# KiCad board MozzaCircuit.kicad_pcb
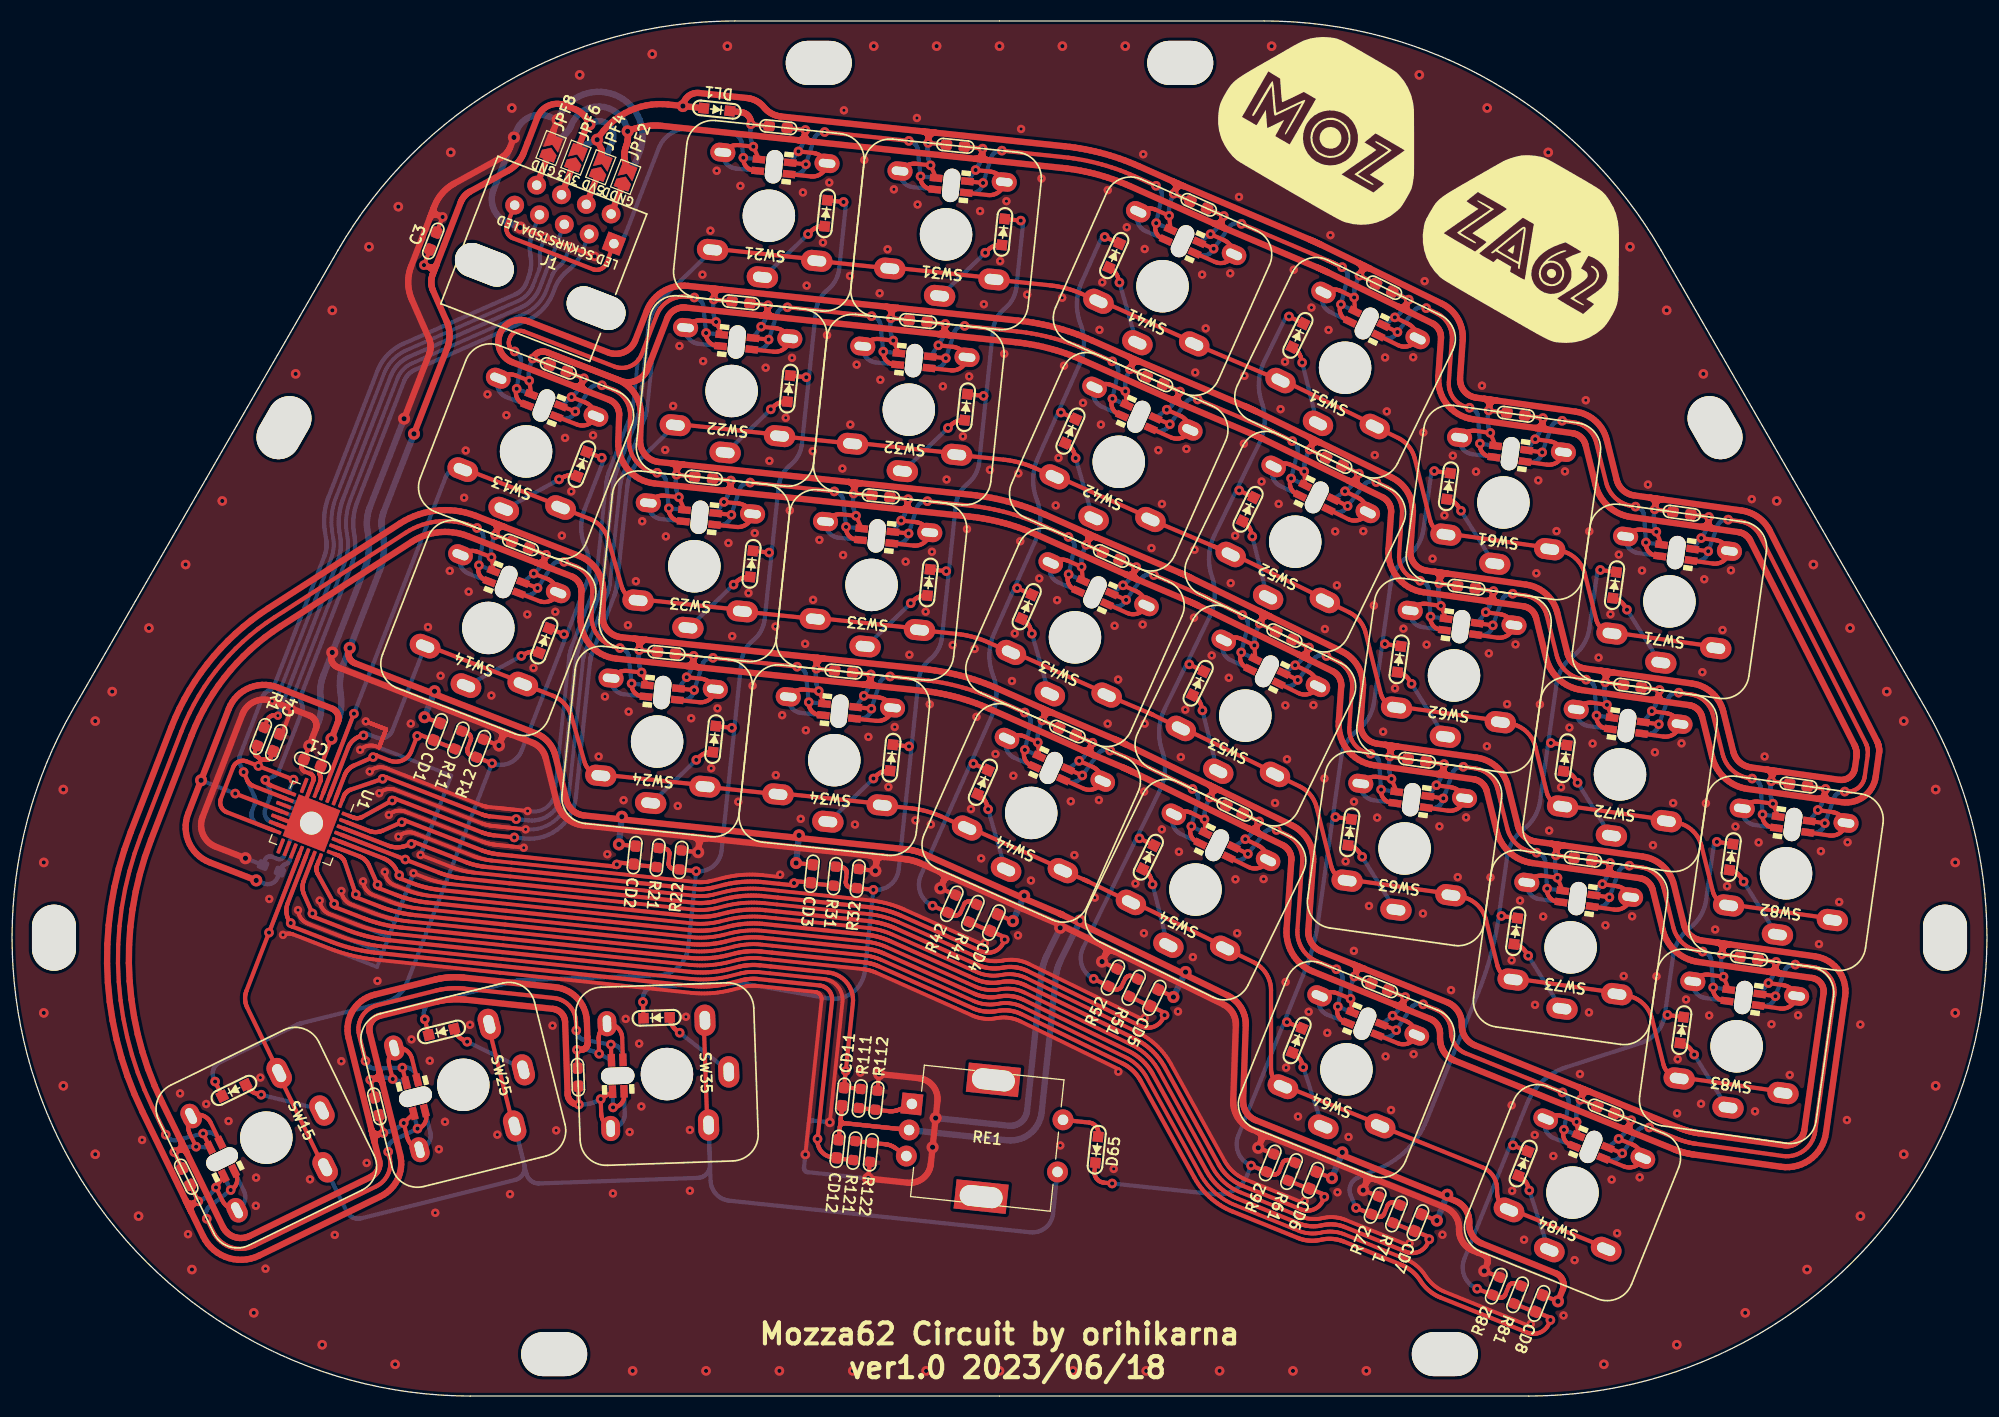
[diagram p0: board, top side]
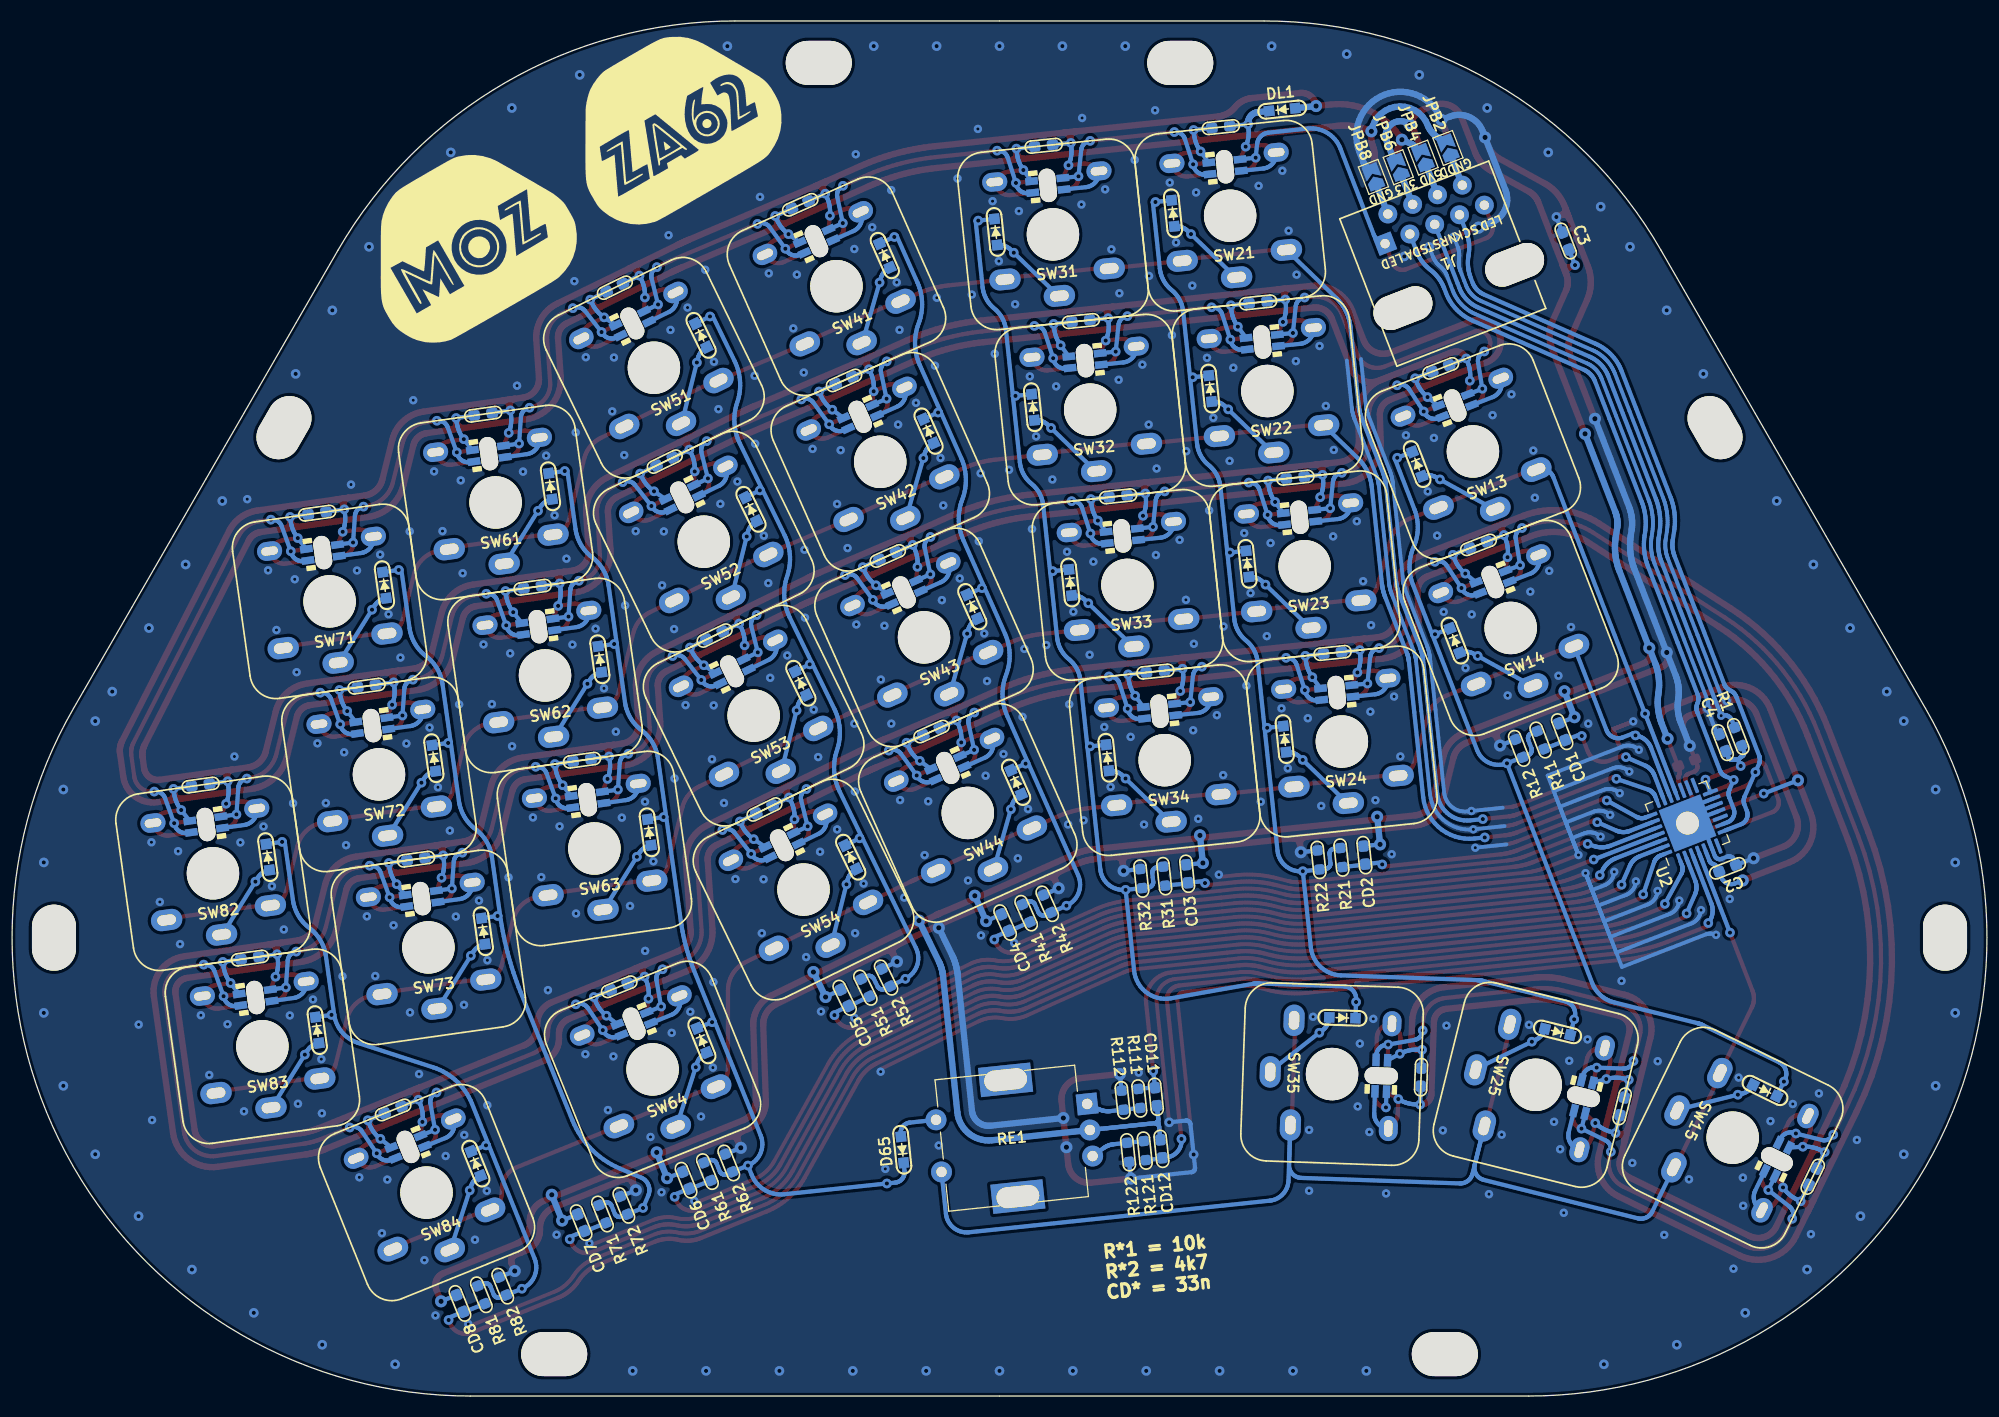
[diagram p1: board, bottom side, seen from below]

Outline 188.43 x 131.18 mm; copper layers: Top, Bottom. Coordinates in mm from the lower left corner of the outline.
Outline path: 5.86,65.59 5.86,65.59 18.48,87.45 31.1,109.31 arc(47.11,125.32) 68.97,131.18 68.97,131.18 119.46,131.18 arc(141.32,125.32) 157.33,109.31 169.95,87.45 182.57,65.59 arc(182.57,21.86) 144.71,0 94.22,0 43.73,0 arc(5.86,21.86) 5.86,65.59
Stack: Top 0.035mm / dielectric 1.51mm FR4 er 4.5 / Bottom 0.035mm

## Placement (name value [footprint] x y rotation side)
C1  0.1u  [C_1608_HandSolder]  28.66 60.41 158.8 top
C2  0.1u  [C_1608_HandSolder]  24.75 50.34 158.8 bottom
C3  0.1u  [C_1608_HandSolder_both_sides]  40.19 110.18 68.8 top
C4  0.1u  [C_1608_HandSolder_both_sides]  25.22 62.33 68.8 top
C13  0.1u  [C_1608_HandSolder_both_sides]  52.12 98.04 338.8 top
C14  0.1u  [C_1608_HandSolder_both_sides]  48.52 81.2 158.8 top
C15  0.1u  [C_1608_HandSolder_both_sides]  16.62 20.92 296 top
C21  0.1u  [C_1608_HandSolder_both_sides]  73.1 121.05 354 top
C22  0.1u  [C_1608_HandSolder_both_sides]  69.54 104.33 174 top
C23  0.1u  [C_1608_HandSolder_both_sides]  65.99 87.61 354 top
C24  0.1u  [C_1608_HandSolder_both_sides]  62.44 70.89 174 top
C25  0.1u  [C_1608_HandSolder_both_sides]  34.81 27.63 104 top
C31  0.1u  [C_1608_HandSolder_both_sides]  90.01 119.27 354 top
C32  0.1u  [C_1608_HandSolder_both_sides]  86.45 102.55 174 top
C33  0.1u  [C_1608_HandSolder_both_sides]  82.9 85.83 354 top
C34  0.1u  [C_1608_HandSolder_both_sides]  79.34 69.11 174 top
C35  0.1u  [C_1608_HandSolder_both_sides]  53.99 30.42 272 top
C41  0.1u  [C_1608_HandSolder_both_sides]  113.23 113.64 336 top
C42  0.1u  [C_1608_HandSolder_both_sides]  109.05 96.89 156 top
C43  0.1u  [C_1608_HandSolder_both_sides]  104.88 80.14 336 top
C44  0.1u  [C_1608_HandSolder_both_sides]  100.7 63.39 156 top
C51  0.1u  [C_1608_HandSolder_both_sides]  130.92 105.74 334 top
C52  0.1u  [C_1608_HandSolder_both_sides]  126.16 89.14 154 top
C53  0.1u  [C_1608_HandSolder_both_sides]  121.4 72.55 334 top
C54  0.1u  [C_1608_HandSolder_both_sides]  116.64 55.96 154 top
C61  0.1u  [C_1608_HandSolder_both_sides]  143.48 93.66 352 top
C62  0.1u  [C_1608_HandSolder_both_sides]  138.76 77.16 172 top
C63  0.1u  [C_1608_HandSolder_both_sides]  134.05 60.65 352 top
C64  0.1u  [C_1608_HandSolder_both_sides]  130.5 39.04 158 top
C71  0.1u  [C_1608_HandSolder_both_sides]  159.32 84.23 352 top
C72  0.1u  [C_1608_HandSolder_both_sides]  154.61 67.72 172 top
C73  0.1u  [C_1608_HandSolder_both_sides]  149.89 51.22 352 top
C82  0.1u  [C_1608_HandSolder_both_sides]  170.45 58.28 172 top
C83  0.1u  [C_1608_HandSolder_both_sides]  165.73 41.78 352 top
C84  0.1u  [C_1608_HandSolder_both_sides]  152.07 27.29 158 top
CD1  33n  [C_1608_HandSolder_both_sides]  40.53 63.38 248.8 top
CD2  33n  [C_1608_HandSolder_both_sides]  59.4 51.6 264 top
CD3  33n  [C_1608_HandSolder_both_sides]  76.31 49.82 264 top
CD4  33n  [C_1608_HandSolder_both_sides]  93.68 45.17 246 top
CD5  33n  [C_1608_HandSolder_both_sides]  108.99 37.99 244 top
CD6  33n  [C_1608_HandSolder_both_sides]  124.13 20.59 248 top
CD7  33n  [C_1608_HandSolder_both_sides]  134.14 16.54 248 top
CD8  33n  [C_1608_HandSolder_both_sides]  145.69 8.84 248 top
CD11  33n  [C_1608_HandSolder_both_sides]  79.29 28.56 84 top
CD12  33n  [C_1608_HandSolder_both_sides]  78.77 23.58 264 top
D13  D_Small  [D_SOD-323_both_sides]  54.37 88.9 248.8 top
D14  D_Small  [D_SOD-323_both_sides]  50.77 72.07 248.8 top
D15  D_Small  [D_SOD-323_both_sides]  21.18 29.15 26 top
D21  D_Small  [D_SOD-323_both_sides]  77.66 112.83 264 top
D22  D_Small  [D_SOD-323_both_sides]  74.11 96.11 264 top
D23  D_Small  [D_SOD-323_both_sides]  70.56 79.39 264 top
D24  D_Small  [D_SOD-323_both_sides]  67 62.67 264 top
D25  D_Small  [D_SOD-323_both_sides]  40.97 34.74 14 top
D31  D_Small  [D_SOD-323_both_sides]  94.57 111.05 264 top
D32  D_Small  [D_SOD-323_both_sides]  91.02 94.33 264 top
D33  D_Small  [D_SOD-323_both_sides]  87.46 77.61 264 top
D34  D_Small  [D_SOD-323_both_sides]  83.91 60.89 264 top
D35  D_Small  [D_SOD-323_both_sides]  61.5 36.08 2 top
D41  D_Small  [D_SOD-323_both_sides]  105.16 108.8 246 top
D42  D_Small  [D_SOD-323_both_sides]  100.99 92.05 246 top
D43  D_Small  [D_SOD-323_both_sides]  96.81 75.3 246 top
D44  D_Small  [D_SOD-323_both_sides]  92.63 58.55 246 top
D51  D_Small  [D_SOD-323_both_sides]  122.69 101.18 244 top
D52  D_Small  [D_SOD-323_both_sides]  117.93 84.59 244 top
D53  D_Small  [D_SOD-323_both_sides]  113.17 68 244 top
D54  D_Small  [D_SOD-323_both_sides]  108.41 51.4 244 top
D61  D_Small  [D_SOD-323_both_sides]  137.06 86.79 262 top
D62  D_Small  [D_SOD-323_both_sides]  132.35 70.28 262 top
D63  D_Small  [D_SOD-323_both_sides]  127.63 53.78 262 top
D64  D_Small  [D_SOD-323_both_sides]  122.61 33.93 248 top
D65  D_Small  [D_SOD-323_both_sides]  103.49 23.5 84 top
D71  D_Small  [D_SOD-323_both_sides]  152.9 77.35 262 top
D72  D_Small  [D_SOD-323_both_sides]  148.19 60.85 262 top
D73  D_Small  [D_SOD-323_both_sides]  143.47 44.34 262 top
D82  D_Small  [D_SOD-323_both_sides]  164.03 51.41 262 top
D83  D_Small  [D_SOD-323_both_sides]  159.31 34.91 262 top
D84  D_Small  [D_SOD-323_both_sides]  144.18 22.17 248 top
DL1  D_Small  [D_SOD-323_both_sides]  67.24 122.72 174 top
G1  LOGO  [mozza62_logo]  135.42 115.82 330 top
G2  LOGO  [mozza62_logo]  135.42 115.82 150 bottom
H1  MountingHole  [SpacerHole_M2_4mm]  136.71 4 0 top
H2  MountingHole  [SpacerHole_M2_4mm]  51.73 4 0 top
H3  MountingHole  [SpacerHole_M2_4mm]  184.43 43.73 90 top
H4  MountingHole  [SpacerHole_M2_4mm]  4 43.73 270 top
H5  MountingHole  [SpacerHole_M2_4mm]  162.49 92.38 120 top
H6  MountingHole  [SpacerHole_M2_4mm]  25.95 92.38 240 top
H7  MountingHole  [SpacerHole_M2_4mm]  111.46 127.18 0 top
H8  MountingHole  [SpacerHole_M2_4mm]  76.97 127.18 0 top
J1  8P8C_both_sides  [RJ45_Molex_0955032884_both_sides]  53.61 114.14 158.8 bottom
JPB2  SolderJumper_2_Open  [SolderJumper-2_P1.3mm_Open_TrianglePad1.0x1.5mm]  51.43 119.06 68.8 bottom
JPB4  SolderJumper_2_Open  [SolderJumper-2_P1.3mm_Open_TrianglePad1.0x1.5mm]  53.8 118.14 68.8 bottom
JPB6  SolderJumper_2_Open  [SolderJumper-2_P1.3mm_Open_TrianglePad1.0x1.5mm]  56.17 117.22 68.8 bottom
JPB8  SolderJumper_2_Open  [SolderJumper-2_P1.3mm_Open_TrianglePad1.0x1.5mm]  58.54 116.3 68.8 bottom
JPF2  SolderJumper_2_Open  [SolderJumper-2_P1.3mm_Open_TrianglePad1.0x1.5mm]  58.54 116.3 68.8 top
JPF4  SolderJumper_2_Open  [SolderJumper-2_P1.3mm_Open_TrianglePad1.0x1.5mm]  56.17 117.22 68.8 top
JPF6  SolderJumper_2_Open  [SolderJumper-2_P1.3mm_Open_TrianglePad1.0x1.5mm]  53.8 118.14 68.8 top
JPF8  SolderJumper_2_Open  [SolderJumper-2_P1.3mm_Open_TrianglePad1.0x1.5mm]  51.43 119.06 68.8 top
L13  WS2812-2020_both_sides  [WS2812B_2020_rev]  50.75 94.49 158.8 top
L14  WS2812-2020_both_sides  [WS2812B_2020_rev]  47.14 77.65 338.8 top
L15  WS2812-2020_both_sides  [WS2812B_2020_rev]  20.04 22.59 116 top
L21  WS2812-2020_both_sides  [WS2812B_2020_rev]  72.7 117.27 174 top
L22  WS2812-2020_both_sides  [WS2812B_2020_rev]  69.15 100.55 354 top
L23  WS2812-2020_both_sides  [WS2812B_2020_rev]  65.59 83.83 174 top
L24  WS2812-2020_both_sides  [WS2812B_2020_rev]  62.04 67.11 354 top
L25  WS2812-2020_both_sides  [WS2812B_2020_rev#2]  38.5 28.55 284 top
L31  WS2812-2020_both_sides  [WS2812B_2020_rev]  89.61 115.49 174 top
L32  WS2812-2020_both_sides  [WS2812B_2020_rev]  86.05 98.77 354 top
L33  WS2812-2020_both_sides  [WS2812B_2020_rev]  82.5 82.05 174 top
L34  WS2812-2020_both_sides  [WS2812B_2020_rev]  78.95 65.33 354 top
L35  WS2812-2020_both_sides  [WS2812B_2020_rev]  57.79 30.55 92 top
L41  WS2812-2020_both_sides  [WS2812B_2020_rev]  111.68 110.17 156 top
L42  WS2812-2020_both_sides  [WS2812B_2020_rev]  107.51 93.42 336 top
L43  WS2812-2020_both_sides  [WS2812B_2020_rev]  103.33 76.67 156 top
L44  WS2812-2020_both_sides  [WS2812B_2020_rev]  99.15 59.92 336 top
L51  WS2812-2020_both_sides  [WS2812B_2020_rev]  129.25 102.32 154 top
L52  WS2812-2020_both_sides  [WS2812B_2020_rev]  124.49 85.73 334 top
L53  WS2812-2020_both_sides  [WS2812B_2020_rev]  119.73 69.13 154 top
L54  WS2812-2020_both_sides  [WS2812B_2020_rev]  114.98 52.54 334 top
L61  WS2812-2020_both_sides  [WS2812B_2020_rev]  142.95 89.9 172 top
L62  WS2812-2020_both_sides  [WS2812B_2020_rev]  138.24 73.39 352 top
L63  WS2812-2020_both_sides  [WS2812B_2020_rev]  133.52 56.89 172 top
L64  WS2812-2020_both_sides  [WS2812B_2020_rev]  129.08 35.52 338 top
L71  WS2812-2020_both_sides  [WS2812B_2020_rev]  158.79 80.46 172 top
L72  WS2812-2020_both_sides  [WS2812B_2020_rev]  154.08 63.96 352 top
L73  WS2812-2020_both_sides  [WS2812B_2020_rev]  149.36 47.45 172 top
L82  WS2812-2020_both_sides  [WS2812B_2020_rev]  169.92 54.52 352 top
L83  WS2812-2020_both_sides  [WS2812B_2020_rev]  165.2 38.02 172 top
L84  WS2812-2020_both_sides  [WS2812B_2020_rev]  150.65 23.77 338 top
R1  100  [R_1608_HandSolder_both_sides]  23.73 62.91 248.8 top
R11  10k  [R_1608_HandSolder_both_sides]  42.59 62.58 248.8 top
R12  4k7  [R_1608_HandSolder_both_sides]  44.64 61.79 68.8 top
R21  10k  [R_1608_HandSolder_both_sides]  61.59 51.37 264 top
R22  4k7  [R_1608_HandSolder_both_sides]  63.78 51.14 84 top
R31  10k  [R_1608_HandSolder_both_sides]  78.5 49.59 264 top
R32  4k7  [R_1608_HandSolder_both_sides]  80.69 49.36 84 top
R41  10k  [R_1608_HandSolder_both_sides]  91.67 46.06 246 top
R42  4k7  [R_1608_HandSolder_both_sides]  89.66 46.96 66 top
R51  10k  [R_1608_HandSolder_both_sides]  107.02 38.96 244 top
R52  4k7  [R_1608_HandSolder_both_sides]  105.04 39.92 64 top
R61  10k  [R_1608_HandSolder_both_sides]  122.09 21.41 248 top
R62  4k7  [R_1608_HandSolder_both_sides]  120.05 22.24 68 top
R71  10k  [R_1608_HandSolder_both_sides]  132.1 17.37 248 top
R72  4k7  [R_1608_HandSolder_both_sides]  130.06 18.19 68 top
R81  10k  [R_1608_HandSolder_both_sides]  143.65 9.66 248 top
R82  4k7  [R_1608_HandSolder_both_sides]  141.61 10.48 68 top
R111  10k  [R_1608_HandSolder_both_sides]  80.88 28.39 84 top
R112  4k7  [R_1608_HandSolder_both_sides]  82.47 28.22 84 top
R121  10k  [R_1608_HandSolder_both_sides]  80.36 23.42 264 top
R122  4k7  [R_1608_HandSolder_both_sides]  81.95 23.25 264 top
RE1  RotaryEncoder_Switch  [RotaryEncoder_Bourns_PEC12R-4215F]  93.05 24.6 354 top
SW13  SW_ChocV2_rev  [ChocV2_rev]  49.05 90.11 158.8 top
SW14  SW_ChocV2_rev  [ChocV2_rev]  45.44 73.27 158.8 top
SW15  SW_ChocV2_rev  [ChocV2_rev]  24.26 24.65 296 top
SW21  SW_ChocV2_rev  [ChocV2_rev]  72.21 112.6 174 top
SW22  SW_ChocV2_rev  [ChocV2_rev]  68.66 95.88 174 top
SW23  SW_ChocV2_rev  [ChocV2_rev]  65.1 79.16 174 top
SW24  SW_ChocV2_rev  [ChocV2_rev]  61.55 62.44 174 top
SW25  SW_ChocV2_rev  [ChocV2_rev]  43.06 29.69 284 top
SW31  SW_ChocV2_rev  [ChocV2_rev]  89.12 110.82 174 top
SW32  SW_ChocV2_rev  [ChocV2_rev]  85.56 94.1 174 top
SW33  SW_ChocV2_rev  [ChocV2_rev]  82.01 77.38 174 top
SW34  SW_ChocV2_rev  [ChocV2_rev]  78.46 60.66 174 top
SW35  SW_ChocV2_rev  [ChocV2_rev]  62.49 30.71 272 top
SW41  SW_ChocV2_rev  [ChocV2_rev]  109.77 105.87 156 top
SW42  SW_ChocV2_rev  [ChocV2_rev]  105.59 89.12 156 top
SW43  SW_ChocV2_rev  [ChocV2_rev]  101.42 72.37 156 top
SW44  SW_ChocV2_rev  [ChocV2_rev]  97.24 55.63 156 top
SW51  SW_ChocV2_rev  [ChocV2_rev]  127.19 98.1 154 top
SW52  SW_ChocV2_rev  [ChocV2_rev]  122.43 81.5 154 top
SW53  SW_ChocV2_rev  [ChocV2_rev]  117.67 64.91 154 top
SW54  SW_ChocV2_rev  [ChocV2_rev]  112.92 48.32 154 top
SW61  SW_ChocV2_rev  [ChocV2_rev]  142.3 85.24 172 top
SW62  SW_ChocV2_rev  [ChocV2_rev]  137.58 68.74 172 top
SW63  SW_ChocV2_rev  [ChocV2_rev]  132.87 52.24 172 top
SW64  SW_ChocV2_rev  [ChocV2_rev]  127.32 31.16 158 top
SW71  SW_ChocV2_rev  [ChocV2_rev]  158.14 75.81 172 top
SW72  SW_ChocV2_rev  [ChocV2_rev]  153.42 59.3 172 top
SW73  SW_ChocV2_rev  [ChocV2_rev]  148.71 42.8 172 top
SW82  SW_ChocV2_rev  [ChocV2_rev]  169.26 49.87 172 top
SW83  SW_ChocV2_rev  [ChocV2_rev]  164.55 33.36 172 top
SW84  SW_ChocV2_rev  [ChocV2_rev]  148.89 19.41 158 top
U1  MCP23017_ML  [QFN-28-1EP_6x6mm_P0.65mm_EP4.25x4.25mm_Hand]  28.57 54.65 248.8 top
U2  MCP23017_ML_NoTP  [QFN-28-1EP_6x6mm_P0.65mm_EP4.25x4.25mm_Hand_NoTP]  28.57 54.65 68.8 bottom

## Footprints (pads in the part's own frame, mm; a bottom-side part is the same pattern mirrored in y, then rotated)
C_1608_HandSolder
  rrect 1.075x0.95 smd: 1(-0.863,0) 2(0.863,0)
C_1608_HandSolder_both_sides
  rrect 1.075x0.95 smd: 1(-0.863,0) 2(0.863,0)
  rrect 1.075x0.95 smd far side: 1(-0.863,0) 2(0.863,0)
ChocV2_rev
  round 5 hole 5 unplated: (0,0)
  oval 3x2 hole 1.8x1: 1(0,5.9) 2(-5,3.8) 3(5,3.8)
  oval 2.4x1.8 hole 1.6x0.8: 4(-5,-5.55) 5(5,-5.55)
D_SOD-323_both_sides
  rect 1x1 smd: 1(-1.25,0) 2(1.25,0)
  rect 1x1 smd far side: 1(-1.25,0) 2(1.25,0)
QFN-28-1EP_6x6mm_P0.65mm_EP4.25x4.25mm_Hand
  rrect 1.14x1.14 smd: (-1.42,1.42) (-1.42,-1.42) (1.42,1.42) (1.42,-1.42)
  rrect 1.5x0.35 smd: 1(-3.1,1.95) 2(-3.1,1.3) 3(-3.1,0.65) 4(-3.1,0) 5(-3.1,-0.65) 6(-3.1,-1.3) 7(-3.1,-1.95) 15(3.1,-1.95) 16(3.1,-1.3) 17(3.1,-0.65) 18(3.1,0) 19(3.1,0.65) 20(3.1,1.3) 21(3.1,1.95)
  rrect 0.35x1.5 smd: 8(-1.95,-3.1) 9(-1.3,-3.1) 10(-0.65,-3.1) 11(0,-3.1) 12(0.65,-3.1) 13(1.3,-3.1) 14(1.95,-3.1) 22(1.95,3.1) 23(1.3,3.1) 24(0.65,3.1) 25(0,3.1) 26(-0.65,3.1) 27(-1.3,3.1) 28(-1.95,3.1)
  rect 4.25x4.25 hole 2.2: 29(0,0)
QFN-28-1EP_6x6mm_P0.65mm_EP4.25x4.25mm_Hand_NoTP
  rrect 1.5x0.35 smd: 1(-3.1,1.95) 2(-3.1,1.3) 3(-3.1,0.65) 4(-3.1,0) 5(-3.1,-0.65) 6(-3.1,-1.3) 7(-3.1,-1.95) 15(3.1,-1.95) 16(3.1,-1.3) 17(3.1,-0.65) 18(3.1,0) 19(3.1,0.65) 20(3.1,1.3) 21(3.1,1.95)
  rrect 0.35x1.5 smd: 8(-1.95,-3.1) 9(-1.3,-3.1) 10(-0.65,-3.1) 11(0,-3.1) 12(0.65,-3.1) 13(1.3,-3.1) 14(1.95,-3.1) 22(1.95,3.1) 23(1.3,3.1) 24(0.65,3.1) 25(0,3.1) 26(-0.65,3.1) 27(-1.3,3.1) 28(-1.95,3.1)
R_1608_HandSolder_both_sides
  rrect 0.975x0.95 smd: 1(-0.912,0) 2(0.912,0)
  rrect 0.975x0.95 smd far side: 1(-0.912,0) 2(0.912,0)
RJ45_Molex_0955032884_both_sides
  oval 5.79x3.25 hole 5.79x3.25 unplated: (-5.715,-8.89) (5.715,-8.89)
  rect 1.8x1.8 hole 0.9: 1(-5.08,-2.54)
  round 1.8 hole 0.9: 2(-3.81,0) 3(-2.54,-2.54) 4(-1.27,0) 5(0,-2.54) 6(1.27,0) 7(2.54,-2.54) 8(3.81,0) 9(5.08,-2.54)
RotaryEncoder_Bourns_PEC12R-4215F
  rect 2x2 hole 1: A(-7.5,2.5)
  round 2 hole 1: B(-7.5,-2.5) C(-7.5,0) S1(7,2.5) S2(7,-2.5)
  rect 5x2.8 hole 4.1x2: MP(0,5.6) MP(0,-5.6)
SolderJumper-2_P1.3mm_Open_TrianglePad1.0x1.5mm
  custom 1.25x1.5 smd: 1(-0.725,0)
  custom 1.4x1.5 smd: 2(0.725,0)
SpacerHole_M2_4mm
  oval 6.3x4.2 hole 6.3x4.2 unplated: (0,0)
WS2812B_2020_rev
  oval 1.6x3.2 hole 1.6x3.2 unplated: (0,0)
  rect 1.2x0.7 smd: 1(-1.5,-0.55) 2(-1.5,0.55) 3(1.5,0.55) 4(1.5,-0.55)
  rect 1.2x0.7 smd far side: 5(-1.5,0.55) 6(-1.5,-0.55) 7(1.5,-0.55) 8(1.5,0.55)
WS2812B_2020_rev#2
  oval 1.6x3.2 hole 1.6x3.2 unplated: (0,0)
  rect 1.2x0.7 smd: 1(-1.5,-0.55) 2(-1.5,0.55) 3(1.5,0.55) 4(1.5,-0.55)
  rect 1.2x0.7 smd far side: 5(-1.5,0.55) 6(-1.5,-0.55) 7(1.5,-0.55) 8(1.5,0.55)

## Nets
3V3: C1.1 C2.1 C3.1 CD1.1 CD2.1 CD3.1 CD4.1 CD5.1 CD6.1 CD7.1 CD8.1 CD11.1 CD12.1 JPB6.2 JPF6.2 RE1.C U1.5 U1.11 U2.5
4V3D: C21.1 DL1.1 L21.4 L21.8 SW21.5
5VD: C13.1 C14.1 C15.1 C22.1 C23.1 C24.1 C25.1 C31.1 C32.1 C33.1 C34.1 C35.1 C41.1 C42.1 C43.1 C44.1 C51.1 C52.1 C53.1 C54.1 C61.1 C62.1 C63.1 C64.1 C71.1 C72.1 C73.1 C82.1 C83.1 C84.1 DL1.2 JPB4.2 JPF4.2 L13.4 L13.8 L14.4 L14.8 L15.4 L15.8 L22.4 L22.8 L23.4 L23.8 L24.4 L24.8 L25.4 L25.8 L31.4 L31.8 L32.4 L32.8 L33.4 L33.8 L34.4 L34.8 L35.4 L35.8 L41.4 L41.8 L42.4 L42.8 L43.4 L43.8 L44.4 L44.8 L51.4 L51.8 L52.4 L52.8 L53.4 L53.8 L54.4 L54.8 L61.4 L61.8 L62.4 L62.8 L63.4 L63.8 L64.4 L64.8 L71.4 L71.8 L72.4 L72.8 L73.4 L73.8 L82.4 L82.8 L83.4 L83.8 L84.4 L84.8 SW13.5 SW14.4 SW15.4 SW22.4 SW23.5 SW24.4 SW25.5 SW31.5 SW32.4 SW33.5 SW34.4 SW35.4 SW41.5 SW42.4 SW43.5 SW44.4 SW51.5 SW52.4 SW53.5 SW54.4 SW61.5 SW62.4 SW63.5 SW64.4 SW71.5 SW72.4 SW73.5 SW82.4 SW83.5 SW84.4
GND: C1.2 C2.2 C3.2 C4.2 JPB8.2 JPF8.2 R12.2 R22.2 R32.2 R42.2 R52.2 R62.2 R72.2 R82.2 R112.2 R122.2 U1.6 U1.12 U1.13 U1.29 U2.6 U2.11 U2.12 U2.13
GNDD: C13.2 C14.2 C15.2 C21.2 C22.2 C23.2 C24.2 C25.2 C31.2 C32.2 C33.2 C34.2 C35.2 C41.2 C42.2 C43.2 C44.2 C51.2 C52.2 C53.2 C54.2 C61.2 C62.2 C63.2 C64.2 C71.2 C72.2 C73.2 C82.2 C83.2 C84.2 JPB2.2 JPF2.2 L13.2 L13.6 L14.2 L14.6 L15.2 L15.6 L21.2 L21.6 L22.2 L22.6 L23.2 L23.6 L24.2 L24.6 L25.2 L25.6 L31.2 L31.6 L32.2 L32.6 L33.2 L33.6 L34.2 L34.6 L35.2 L35.6 L41.2 L41.6 L42.2 L42.6 L43.2 L43.6 L44.2 L44.6 L51.2 L51.6 L52.2 L52.6 L53.2 L53.6 L54.2 L54.6 L61.2 L61.6 L62.2 L62.6 L63.2 L63.6 L64.2 L64.6 L71.2 L71.6 L72.2 L72.6 L73.2 L73.6 L82.2 L82.6 L83.2 L83.6 L84.2 L84.6 SW13.4 SW14.5 SW15.5 SW21.4 SW22.5 SW23.4 SW24.5 SW25.4 SW31.4 SW32.5 SW33.4 SW34.5 SW35.5 SW41.4 SW42.5 SW43.4 SW44.5 SW51.4 SW52.5 SW53.4 SW54.5 SW61.4 SW62.5 SW63.4 SW64.5 SW71.4 SW72.5 SW73.4 SW82.5 SW83.4 SW84.5
COL1: CD1.2 R11.2 U1.2 U2.20
COL2: CD2.2 R21.2 U1.27 U2.23
COL3: CD3.2 R31.2 U1.26 U2.24
COL4: CD4.2 R41.2 U1.25 U2.25
COL5: CD5.2 R51.2 U1.24 U2.26
COL6: CD6.2 R61.2 U1.23 U2.27
COL7: CD7.2 R71.2 U1.22 U2.28
COL8: CD8.2 R81.2 U1.21 U2.1
COLA: CD11.2 R111.2 U1.20 U2.2
COLB: CD12.2 R121.2 U1.19 U2.3
LED: J1.1 J1.9 L21.3 L21.7
NRST: C4.1 R1.2 U1.14 U2.14
NRST_in: J1.5 R1.1
REA: R111.1 R112.1 RE1.A
REB: R121.1 R122.1 RE1.B
ROW1: SW21.2 SW21.3 SW31.2 SW31.3 SW41.2 SW41.3 SW51.2 SW51.3 SW61.2 SW61.3 SW71.2 SW71.3 U1.1 U2.21
ROW2: SW22.2 SW22.3 SW32.2 SW32.3 SW42.2 SW42.3 SW52.2 SW52.3 SW62.2 SW62.3 SW72.2 SW72.3 SW82.2 SW82.3 U1.28 U2.22
ROW3: SW13.2 SW13.3 SW23.2 SW23.3 SW33.2 SW33.3 SW43.2 SW43.3 SW53.2 SW53.3 SW63.2 SW63.3 SW73.2 SW73.3 SW83.2 SW83.3 U1.4 U2.18
ROW4: SW14.2 SW14.3 SW24.2 SW24.3 SW34.2 SW34.3 SW44.2 SW44.3 SW54.2 SW54.3 SW64.2 SW64.3 SW84.2 SW84.3 U1.3 U2.19
ROW5: RE1.S2 SW15.2 SW15.3 SW25.2 SW25.3 SW35.2 SW35.3 U1.18 U2.4
SCK_SDA: J1.3 U1.8 U2.9
SDA_SCK: J1.7 U1.9 U2.8
Net-(D13-Pad1): D13.1 D14.1 D15.1 R11.1 R12.1
Net-(D13-Pad2): D13.2 SW13.1
Net-(D14-Pad2): D14.2 SW14.1
Net-(D15-Pad2): D15.2 SW15.1
Net-(D21-Pad1): D21.1 D22.1 D23.1 D24.1 D25.1 R21.1 R22.1
Net-(D21-Pad2): D21.2 SW21.1
Net-(D22-Pad2): D22.2 SW22.1
Net-(D23-Pad2): D23.2 SW23.1
Net-(D24-Pad2): D24.2 SW24.1
Net-(D25-Pad2): D25.2 SW25.1
Net-(D31-Pad1): D31.1 D32.1 D33.1 D34.1 D35.1 R31.1 R32.1
Net-(D31-Pad2): D31.2 SW31.1
Net-(D32-Pad2): D32.2 SW32.1
Net-(D33-Pad2): D33.2 SW33.1
Net-(D34-Pad2): D34.2 SW34.1
Net-(D35-Pad2): D35.2 SW35.1